# KiCad board backplane.kicad_pcb
title: backplane; date: 2021-12-10; rev: A1; company: Sierra Lobo, Inc.; note: C. Hillis; note: C. Kornowski
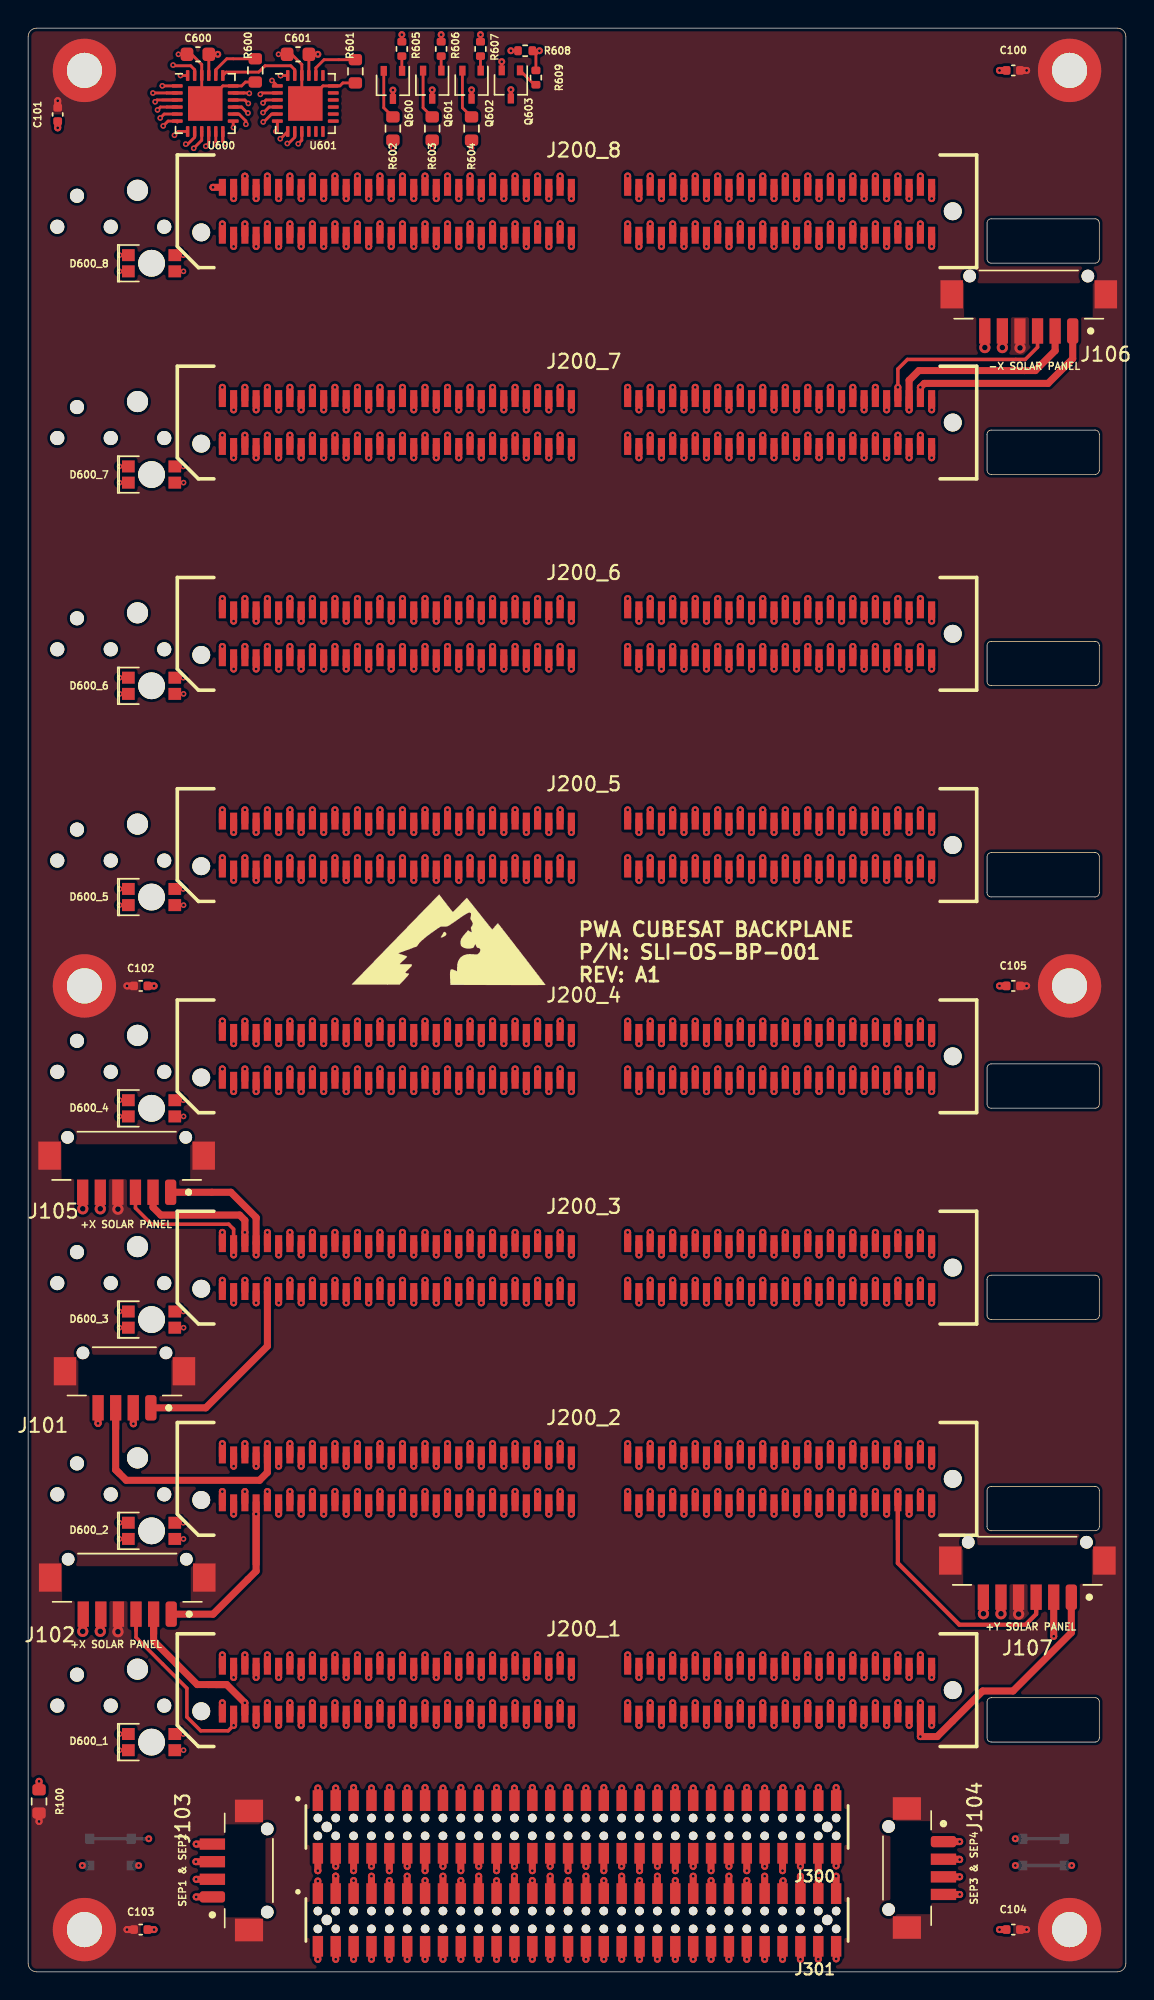
[diagram p0: board, top side]
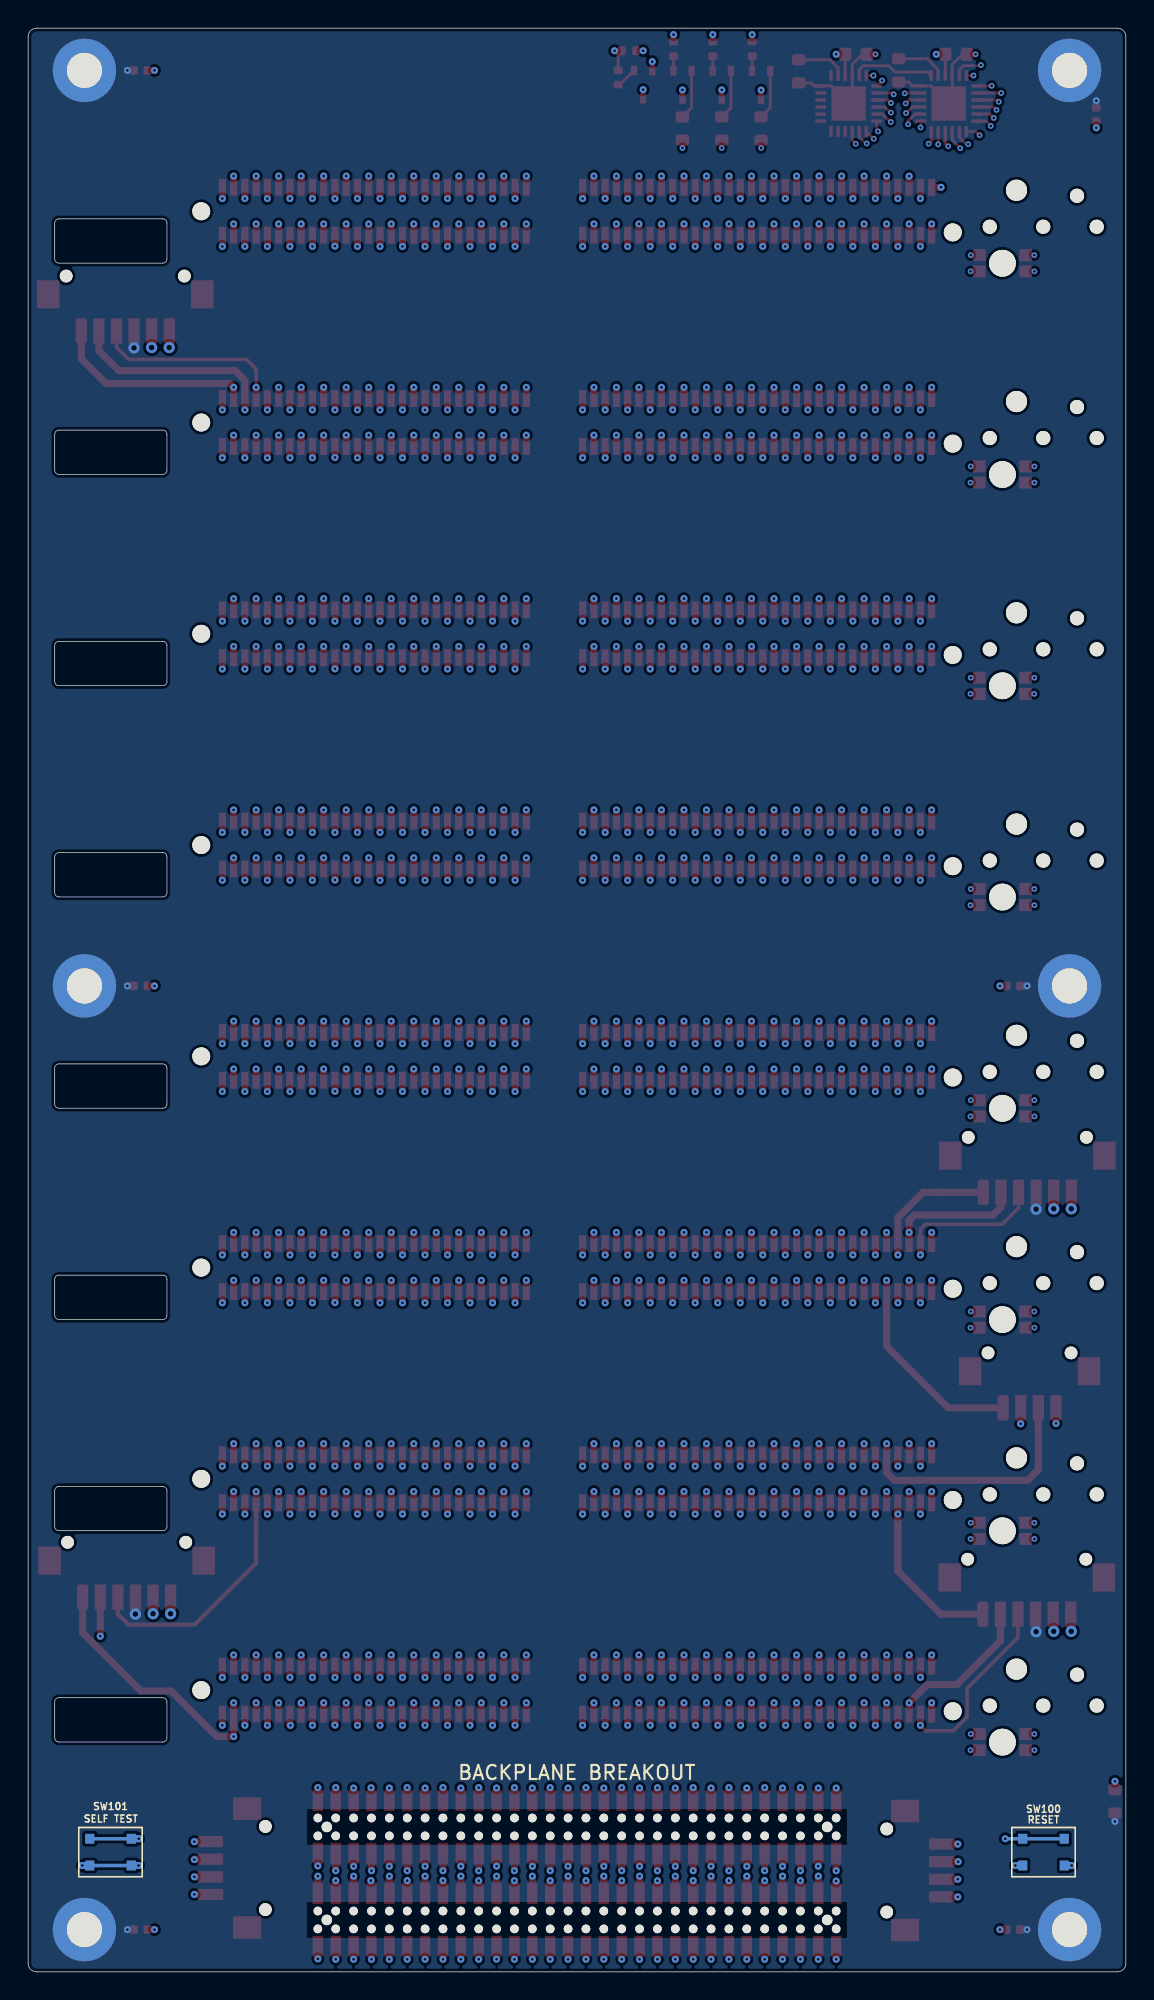
[diagram p1: board, bottom side, seen from below]

Outline 78 x 138 mm; copper layers: Top, In1.Cu, In2.Cu, In3.Cu, In4.Cu, Bottom. Coordinates in mm from the lower left corner of the outline.
Outline path: 0,137.4 arc(0.18,137.82) 0.6,138 77.4,138 arc(77.82,137.82) 78,137.4 78,0.6 arc(77.82,0.18) 77.4,0 0.6,0 arc(0.18,0.18) 0,0.6 0,137.4 ; 68.14,124.17 arc(68.22,124.38) 68.43,124.46 75.82,124.46 arc(76.03,124.38) 76.11,124.17 76.11,121.61 arc(76.03,121.4) 75.82,121.32 68.43,121.32 arc(68.22,121.4) 68.14,121.61 68.14,124.17 ; 68.14,109.17 arc(68.22,109.38) 68.43,109.46 75.82,109.46 arc(76.03,109.38) 76.11,109.17 76.11,106.61 arc(76.03,106.4) 75.82,106.32 68.43,106.32 arc(68.22,106.4) 68.14,106.61 68.14,109.17 ; 68.14,94.17 arc(68.22,94.38) 68.43,94.46 75.82,94.46 arc(76.03,94.38) 76.11,94.17 76.11,91.61 arc(76.03,91.4) 75.82,91.32 68.43,91.32 arc(68.22,91.4) 68.14,91.61 68.14,94.17 ; 68.14,79.17 arc(68.22,79.38) 68.43,79.46 75.82,79.46 arc(76.03,79.38) 76.11,79.17 76.11,76.61 arc(76.03,76.4) 75.82,76.32 68.43,76.32 arc(68.22,76.4) 68.14,76.61 68.14,79.17 ; 68.14,64.17 arc(68.22,64.38) 68.43,64.46 75.82,64.46 arc(76.03,64.38) 76.11,64.17 76.11,61.61 arc(76.03,61.4) 75.82,61.32 68.43,61.32 arc(68.22,61.4) 68.14,61.61 68.14,64.17 ; 68.14,49.17 arc(68.22,49.38) 68.43,49.46 75.82,49.46 arc(76.03,49.38) 76.11,49.17 76.11,46.61 arc(76.03,46.4) 75.82,46.32 68.43,46.32 arc(68.22,46.4) 68.14,46.61 68.14,49.17 ; 68.14,34.17 arc(68.22,34.38) 68.43,34.46 75.82,34.46 arc(76.03,34.38) 76.11,34.17 76.11,31.61 arc(76.03,31.4) 75.82,31.32 68.43,31.32 arc(68.22,31.4) 68.14,31.61 68.14,34.17 ; 68.14,19.17 arc(68.22,19.38) 68.43,19.46 75.82,19.46 arc(76.03,19.38) 76.11,19.17 76.11,16.61 arc(76.03,16.4) 75.82,16.32 68.43,16.32 arc(68.22,16.4) 68.14,16.61 68.14,19.17

## Placement (name value [footprint] x y rotation side)
C100  0.1uF  [C_0402_1005Metric]  70 135 0 top
C101  0.1uF  [C_0402_1005Metric]  2.1 131.87 90 top
C102  0.1uF  [C_0402_1005Metric]  8 70 180 top
C103  0.1uF  [C_0402_1005Metric]  8 3 180 top
C104  0.1uF  [C_0402_1005Metric]  70 3 0 top
C105  0.1uF  [C_0402_1005Metric]  70 70 0 top
C600  0.1uF  [C_0603_1608Metric]  12.06 136.14 180 top
C601  0.1uF  [C_0603_1608Metric]  19.18 136.14 180 top
D600_1  -  [156125M173000]  8.77 16.31 0 top
D600_2  -  [156125M173000]  8.77 31.31 0 top
D600_3  -  [156125M173000]  8.77 46.31 0 top
D600_4  -  [156125M173000]  8.77 61.31 0 top
D600_5  -  [156125M173000]  8.77 76.31 0 top
D600_6  -  [156125M173000]  8.77 91.31 0 top
D600_7  -  [156125M173000]  8.77 106.31 0 top
D600_8  -  [156125M173000]  8.77 121.31 0 top
G***  LOGO  [SLI_LOGO]  29.85 72.45 0 top
J101  BURN_WIRES  [DF13-4P-1.25(75)]  6.84 40.94 180 top
J102  -Z SOLAR PANEL  [DF13-6P-1.25(75)]  7.04 26.3 180 top
J103  SEP1 & SEP2  [DF13-4P-1.25(75)]  13.99 7.2 90 top
J104  SEP3 & SEP4  [DF13-4P-1.25(75)]  64.14 7.37 270 top
J105  +X SOLAR PANEL  [DF13-6P-1.25(75)]  7 56.25 180 top
J106  -X SOLAR PANEL  [DF13-6P-1.25(75)]  71.1 117.4 180 top
J107  +Y SOLAR PANEL  [DF13-6P-1.25(75)]  71 27.5 180 top
J200_1  -  [HSEC8-160-01-S-DV-A-K-TR]  39 20 0 top
J200_2  -  [HSEC8-160-01-S-DV-A-K-TR]  39 35 0 top
J200_3  -  [HSEC8-160-01-S-DV-A-K-TR]  39 50 0 top
J200_4  -  [HSEC8-160-01-S-DV-A-K-TR]  39 65 0 top
J200_5  -  [HSEC8-160-01-S-DV-A-K-TR]  39 80 0 top
J200_6  -  [HSEC8-160-01-S-DV-A-K-TR]  39 95 0 top
J200_7  -  [HSEC8-160-01-S-DV-A-K-TR]  39 110 0 top
J200_8  -  [HSEC8-160-01-S-DV-A-K-TR]  39 125 0 top
J300  Breakout Connector  [SAMTEC_CLP-130-02-X-D-BE-A-P-TR]  39 10.29 180 top
J301  Breakout Connector  [SAMTEC_CLP-130-02-X-D-BE-A-P-TR]  39 3.68 180 top
MH100  M3  [M3_PTH_PAD]  4 135 0 top
MH101  M3  [M3_PTH_PAD]  4 3 0 top
MH102  M3  [M3_PTH_PAD]  74 3 0 top
MH103  M3  [M3_PTH_PAD]  74 70 0 top
MH104  M3  [M3_PTH_PAD]  4 70 0 top
MH105  M3  [M3_PTH_PAD]  74 135 0 top
Q600  BC857AW,115  [SOT-323_SC-70]  25.92 133.97 270 top
Q601  BC857AW,115  [SOT-323_SC-70]  28.71 133.99 270 top
Q602  BC857AW,115  [SOT-323_SC-70]  31.51 133.99 270 top
Q603  BC847CW,115  [SOT-323_SC-70]  34.3 134 270 top
R100  0mR DNP  [R_0603_1608Metric]  0.77 12.1 270 top
R600  50.1k  [R_0603_1608Metric]  16.14 135 90 top
R601  50.1k  [R_0603_1608Metric]  23.25 134.94 90 top
R602  0R  [R_0603_1608Metric]  25.92 130.87 270 top
R603  0R  [R_0603_1608Metric]  28.71 130.87 270 top
R604  0R  [R_0603_1608Metric]  31.51 130.87 270 top
R605  4.7k  [R_0402_1005Metric]  26.55 136.53 270 top
R606  4.7k  [R_0402_1005Metric]  29.35 136.53 270 top
R607  4.7k  [R_0402_1005Metric]  32.14 136.53 270 top
R608  10k  [R_0402_1005Metric]  35.32 136.4 180 top
R609  4.7k  [R_0402_1005Metric]  36.08 134.49 270 top
SW100  RESET  [KMT031_NGJ_LHS]  5.85 8.5 0 bottom
SW101  RESET  [KMT031_NGJ_LHS]  72.15 8.5 0 bottom
U600  TLC59282  [VQFN-24-1EP_4x4mm_P0.5mm_EP2.45x2.45mm]  12.58 132.65 0 top
U601  TLC59282  [VQFN-24-1EP_4x4mm_P0.5mm_EP2.45x2.45mm]  19.7 132.65 0 top

## Footprints (pads in the part's own frame, mm; a bottom-side part is the same pattern mirrored in y, then rotated)
156125M173000
  round 1.9 hole 1.9 unplated: (0,0)
  rect 0.9x0.85 smd: 1(-1.65,0.575) 2(-1.65,-0.575) 3(1.65,-0.575) 4(1.65,0.575)
C_0402_1005Metric
  rrect 0.56x0.62 smd: 1(-0.48,0) 2(0.48,0)
C_0603_1608Metric
  rrect 0.9x0.95 smd: 1(-0.775,0) 2(0.775,0)
DF13-4P-1.25(75)
  round 0.9 hole 0.9 unplated: (-2.95,-3) (2.95,-3)
  rrect 0.8x1.8 smd: 1(-1.875,0.9)
  rect 0.8x1.8 smd: 2(-0.625,0.9) 3(0.625,0.9) 4(1.875,0.9)
  rect 1.6x2 smd: 5(-4.225,-1.7) 5(4.225,-1.7)
DF13-6P-1.25(75)
  round 0.9 hole 0.9 unplated: (-4.2,-3) (4.2,-3)
  rrect 0.8x1.8 smd: 1(-3.125,0.9)
  rect 0.8x1.8 smd: 2(-1.875,0.9) 3(-0.625,0.9) 4(0.625,0.9) 5(1.875,0.9) 6(3.125,0.9)
  rect 1.6x2 smd: 7(-5.475,-1.7) 7(5.475,-1.7)
HSEC8-160-01-S-DV-A-K-TR
  round 1 hole 1 unplated: (-36.93,-1.1) (-35.53,1.1) (-33.13,-1.1) (-29.33,-1.1)
  round 1.5 hole 1.5 unplated: (-31.23,1.49)
  round 1.27 hole 1.27 unplated: (-26.7,-1.5) (26.7,0)
  rect 0.5x1.2 smd: 1(-25.2,-1.7) 2(-25.2,1.7) 3(-24.4,-1.7) 4(-24.4,1.7) 5(-23.6,-1.7) 6(-23.6,1.7) 7(-22.8,-1.7) 8(-22.8,1.7) 9(-22,-1.7) 10(-22,1.7) 11(-21.2,-1.7) 12(-21.2,1.7) 13(-20.4,-1.7) 14(-20.4,1.7) 15(-19.6,-1.7) 16(-19.6,1.7) 17(-18.8,-1.7) 18(-18.8,1.7) 19(-18,-1.7) 20(-18,1.7) 21(-17.2,-1.7) 22(-17.2,1.7) 23(-16.4,-1.7) 24(-16.4,1.7) 25(-15.6,-1.7) 26(-15.6,1.7) 27(-14.8,-1.7) 28(-14.8,1.7) 29(-14,-1.7) 30(-14,1.7) 31(-13.2,-1.7) 32(-13.2,1.7) 33(-12.4,-1.7) 34(-12.4,1.7) 35(-11.6,-1.7) 36(-11.6,1.7) 37(-10.8,-1.7) 38(-10.8,1.7) 39(-10,-1.7) 40(-10,1.7) 41(-9.2,-1.7) 42(-9.2,1.7) 43(-8.4,-1.7) 44(-8.4,1.7) 45(-7.6,-1.7) 46(-7.6,1.7) 47(-6.8,-1.7) 48(-6.8,1.7) 49(-6,-1.7) 50(-6,1.7) 51(-5.2,-1.7) 52(-5.2,1.7) 53(-4.4,-1.7) 54(-4.4,1.7) 55(-3.6,-1.7) 56(-3.6,1.7) 57(-2.8,-1.7) 58(-2.8,1.7) 59(-2,-1.7) 60(-2,1.7) 61(-1.2,-1.7) 62(-1.2,1.7) 63(-0.4,-1.7) 64(-0.4,1.7) 65(3.6,-1.7) 66(3.6,1.7) 67(4.4,-1.7) 68(4.4,1.7) 69(5.2,-1.7) 70(5.2,1.7) 71(6,-1.7) 72(6,1.7) 73(6.8,-1.7) 74(6.8,1.7) 75(7.6,-1.7) 76(7.6,1.7) 77(8.4,-1.7) 78(8.4,1.7) 79(9.2,-1.7) 80(9.2,1.7) 81(10,-1.7) 82(10,1.7) 83(10.8,-1.7) 84(10.8,1.7) 85(11.6,-1.7) 86(11.6,1.7) 87(12.4,-1.7) 88(12.4,1.7) 89(13.2,-1.7) 90(13.2,1.7) 91(14,-1.7) 92(14,1.7) 93(14.8,-1.7) 94(14.8,1.7) 95(15.6,-1.7) 96(15.6,1.7) 97(16.4,-1.7) 98(16.4,1.7) 99(17.2,-1.7) 100(17.2,1.7) 101(18,-1.7) 102(18,1.7) 103(18.8,-1.7) 104(18.8,1.7) 105(19.6,-1.7) 106(19.6,1.7) 107(20.4,-1.7) 108(20.4,1.7) 109(21.2,-1.7) 110(21.2,1.7) 111(22,-1.7) 112(22,1.7) 113(22.8,-1.7) 114(22.8,1.7) 115(23.6,-1.7) 116(23.6,1.7) 117(24.4,-1.7) 118(24.4,1.7) 119(25.2,-1.7) 120(25.2,1.7)
KMT031_NGJ_LHS
  rect 0.65x0.7 smd: 1(-1.475,0.95) 1(1.475,0.95) 2(-1.475,-0.95) 2(1.475,-0.95)
M3_PTH_PAD
  round 4.5 hole 2.5: 1(0,0)
R_0402_1005Metric
  rrect 0.54x0.64 smd: 1(-0.51,0) 2(0.51,0)
R_0603_1608Metric
  rrect 0.8x0.95 smd: 1(-0.825,0) 2(0.825,0)
SAMTEC_CLP-130-02-X-D-BE-A-P-TR
  round 0.61 hole 0.61 unplated: (-18.415,0.635) (-18.415,-0.635) (-17.145,0.635) (-17.145,-0.635) (-15.875,0.635) (-15.875,-0.635) (-14.605,0.635) (-14.605,-0.635) (-13.335,0.635) (-13.335,-0.635) (-12.065,0.635) (-12.065,-0.635) (-10.795,0.635) (-10.795,-0.635) (-9.525,0.635) (-9.525,-0.635) (-8.255,0.635) (-8.255,-0.635) (-6.985,0.635) (-6.985,-0.635) (-5.715,0.635) (-5.715,-0.635) (-4.445,0.635) (-4.445,-0.635) (-3.175,0.635) (-3.175,-0.635) (-1.905,0.635) (-1.905,-0.635) (-0.635,0.635) (-0.635,-0.635) (0.635,0.635) (0.635,-0.635) (1.905,0.635) (1.905,-0.635) (3.175,0.635) (3.175,-0.635) (4.445,0.635) (4.445,-0.635) (5.715,0.635) (5.715,-0.635) (6.985,0.635) (6.985,-0.635) (8.255,0.635) (8.255,-0.635) (9.525,0.635) (9.525,-0.635) (10.795,0.635) (10.795,-0.635) (12.065,0.635) (12.065,-0.635) (13.335,0.635) (13.335,-0.635) (14.605,0.635) (14.605,-0.635) (15.875,0.635) (15.875,-0.635) (17.145,0.635) (17.145,-0.635) (18.415,0.635) (18.415,-0.635)
  round 0.74 hole 0.74 unplated: (-17.78,0) (17.78,0)
  rect 0.74x1.47 smd: 1(18.415,-1.87) 2(18.415,1.87) 3(17.145,-1.87) 4(17.145,1.87) 5(15.875,-1.87) 6(15.875,1.87) 7(14.605,-1.87) 8(14.605,1.87) 9(13.335,-1.87) 10(13.335,1.87) 11(12.065,-1.87) 12(12.065,1.87) 13(10.795,-1.87) 14(10.795,1.87) 15(9.525,-1.87) 16(9.525,1.87) 17(8.255,-1.87) 18(8.255,1.87) 19(6.985,-1.87) 20(6.985,1.87) 21(5.715,-1.87) 22(5.715,1.87) 23(4.445,-1.87) 24(4.445,1.87) 25(3.175,-1.87) 26(3.175,1.87) 27(1.905,-1.87) 28(1.905,1.87) 29(0.635,-1.87) 30(0.635,1.87) 31(-0.635,-1.87) 32(-0.635,1.87) 33(-1.905,-1.87) 34(-1.905,1.87) 35(-3.175,-1.87) 36(-3.175,1.87) 37(-4.445,-1.87) 38(-4.445,1.87) 39(-5.715,-1.87) 40(-5.715,1.87) 41(-6.985,-1.87) 42(-6.985,1.87) 43(-8.255,-1.87) 44(-8.255,1.87) 45(-9.525,-1.87) 46(-9.525,1.87) 47(-10.795,-1.87) 48(-10.795,1.87) 49(-12.065,-1.87) 50(-12.065,1.87) 51(-13.335,-1.87) 52(-13.335,1.87) 53(-14.605,-1.87) 54(-14.605,1.87) 55(-15.875,-1.87) 56(-15.875,1.87) 57(-17.145,-1.87) 58(-17.145,1.87) 59(-18.415,-1.87) 60(-18.415,1.87)
SOT-323_SC-70
  rect 0.7x0.45 smd: 1(-1,0.65) 2(-1,-0.65) 3(1,0)
VQFN-24-1EP_4x4mm_P0.5mm_EP2.45x2.45mm
  rrect 0.66x0.66 smd: (-0.82,0.82) (-0.82,0) (-0.82,-0.82) (0,0.82) (0,0) (0,-0.82) (0.82,0.82) (0.82,0) (0.82,-0.82)
  rrect 0.775x0.25 smd: 1(-1.988,1.25) 2(-1.988,0.75) 3(-1.988,0.25) 4(-1.988,-0.25) 5(-1.988,-0.75) 6(-1.988,-1.25) 13(1.988,-1.25) 14(1.988,-0.75) 15(1.988,-0.25) 16(1.988,0.25) 17(1.988,0.75) 18(1.988,1.25)
  rrect 0.25x0.775 smd: 7(-1.25,-1.988) 8(-0.75,-1.988) 9(-0.25,-1.988) 10(0.25,-1.988) 11(0.75,-1.988) 12(1.25,-1.988) 19(1.25,1.988) 20(0.75,1.988) 21(0.25,1.988) 22(-0.25,1.988) 23(-0.75,1.988) 24(-1.25,1.988)
  rect 2.45x2.45 smd: 25(0,0)

## Nets
/5V_USB: C600.1 C601.1 D600_1.4 D600_2.4 D600_3.4 D600_4.4 D600_5.4 D600_6.4 D600_7.4 D600_8.4 J200_1.70 J200_2.70 J200_3.70 J200_4.70 J200_5.70 J200_6.70 J200_7.70 J200_8.70 J300.36 R608.1 R609.1 U600.21 U601.21
/AGND: J200_1.71 J200_2.71 J200_3.71 J200_4.71 J200_5.71 J200_6.71 J200_7.71 J200_8.71 J301.35
GND: C100.1 C101.1 C102.1 C103.1 C104.1 C105.1 C600.2 C601.2 J101.2 J101.4 J102.5 J102.6 J103.2 J103.4 J104.2 J104.4 J105.5 J105.6 J106.5 J106.6 J107.5 J107.6 J200_1.67 J200_1.68 J200_1.72 J200_1.103 J200_1.104 J200_2.67 J200_2.68 J200_2.72 J200_2.103 J200_2.104 J200_3.67 J200_3.68 J200_3.72 J200_3.103 J200_3.104 J200_4.67 J200_4.68 J200_4.72 J200_4.103 J200_4.104 J200_5.67 J200_5.68 J200_5.72 J200_5.103 J200_5.104 J200_6.67 J200_6.68 J200_6.72 J200_6.103 J200_6.104 J200_7.67 J200_7.68 J200_7.72 J200_7.103 J200_7.104 J200_8.67 J200_8.68 J200_8.72 J200_8.103 J200_8.104 J301.33 J301.34 J301.36 J301.51 J301.52 Q603.2 R100.1 R600.1 R601.1 SW100.1 SW101.1 U600.18 U600.22 U600.25 U601.18 U601.22 U601.25
/+X_SOLAR_PWR: J105.1 J200_1.8 J200_2.8 J200_3.8 J200_4.8 J200_5.8 J200_6.8 J200_7.8 J200_8.8 J301.4
/+X_SOLAR_RTN: J105.2 J200_1.6 J200_2.6 J200_3.6 J200_4.6 J200_5.6 J200_6.6 J200_7.6 J200_8.6 J300.4
/+X_SOLAR_TLE: J105.3 J200_1.4 J200_2.4 J200_3.4 J200_4.4 J200_5.4 J200_6.4 J200_7.4 J200_8.4 J301.2
/+Y_SOLAR_PWR: J107.1 J200_1.117 J200_2.117 J200_3.117 J200_4.117 J200_5.117 J200_6.117 J200_7.117 J200_8.117 J300.59
/+Y_SOLAR_RTN: J107.2 J200_1.115 J200_2.115 J200_3.115 J200_4.115 J200_5.115 J200_6.115 J200_7.115 J200_8.115 J301.57
/+Y_SOLAR_TLE: J107.3 J200_1.113 J200_2.113 J200_3.113 J200_4.113 J200_5.113 J200_6.113 J200_7.113 J200_8.113 J300.57
/-X_SOLAR_PWR: J106.1 J200_1.118 J200_2.118 J200_3.118 J200_4.118 J200_5.118 J200_6.118 J200_7.118 J200_8.118 J300.60
/-X_SOLAR_RTN: J106.2 J200_1.116 J200_2.116 J200_3.116 J200_4.116 J200_5.116 J200_6.116 J200_7.116 J200_8.116 J301.58
/-X_SOLAR_TLE: J106.3 J200_1.114 J200_2.114 J200_3.114 J200_4.114 J200_5.114 J200_6.114 J200_7.114 J200_8.114 J300.58
/-Z_SOLAR_PWR: J102.1 J200_1.7 J200_2.7 J200_3.7 J200_4.7 J200_5.7 J200_6.7 J200_7.7 J200_8.7 J301.3
/-Z_SOLAR_RTN: J102.2 J200_1.5 J200_2.5 J200_3.5 J200_4.5 J200_5.5 J200_6.5 J200_7.5 J200_8.5 J300.3
/-Z_SOLAR_TLE: J102.3 J200_1.3 J200_2.3 J200_3.3 J200_4.3 J200_5.3 J200_6.3 J200_7.3 J200_8.3 J301.1
/BUS_RESET: J200_1.65 J200_2.65 J200_3.65 J200_4.65 J200_5.65 J200_6.65 J200_7.65 J200_8.65 J300.33 SW100.2
/H1-1: J101.1 J200_1.9 J200_2.9 J200_3.9 J200_4.9 J200_5.9 J200_6.9 J200_7.9 J200_8.9 J300.5
/H1-2: J101.3 J200_1.10 J200_2.10 J200_3.10 J200_4.10 J200_5.10 J200_6.10 J200_7.10 J200_8.10 J300.6
/H1-3: J200_1.13 J200_2.13 J200_3.13 J200_4.13 J200_5.13 J200_6.13 J200_7.13 J200_8.13 J300.7
/H1-4: J200_1.14 J200_2.14 J200_3.14 J200_4.14 J200_5.14 J200_6.14 J200_7.14 J200_8.14 J300.8
/H1-5: J200_1.17 J200_2.17 J200_3.17 J200_4.17 J200_5.17 J200_6.17 J200_7.17 J200_8.17 J300.9
/H1-6: J200_1.18 J200_2.18 J200_3.18 J200_4.18 J200_5.18 J200_6.18 J200_7.18 J200_8.18 J300.10
/H1-7: J200_1.21 J200_2.21 J200_3.21 J200_4.21 J200_5.21 J200_6.21 J200_7.21 J200_8.21 J300.11
/H1-8: J200_1.22 J200_2.22 J200_3.22 J200_4.22 J200_5.22 J200_6.22 J200_7.22 J200_8.22 J300.12
/H1-9: J200_1.25 J200_2.25 J200_3.25 J200_4.25 J200_5.25 J200_6.25 J200_7.25 J200_8.25 J300.13
/H1-10: J200_1.26 J200_2.26 J200_3.26 J200_4.26 J200_5.26 J200_6.26 J200_7.26 J200_8.26 J300.14
/H1-11: J200_1.29 J200_2.29 J200_3.29 J200_4.29 J200_5.29 J200_6.29 J200_7.29 J200_8.29 J300.15
/H1-12: J200_1.30 J200_2.30 J200_3.30 J200_4.30 J200_5.30 J200_6.30 J200_7.30 J200_8.30 J300.16
/H1-13: J200_1.33 J200_2.33 J200_3.33 J200_4.33 J200_5.33 J200_6.33 J200_7.33 J200_8.33 J300.17
/H1-14: J200_1.34 J200_2.34 J200_3.34 J200_4.34 J200_5.34 J200_6.34 J200_7.34 J200_8.34 J300.18
/H1-16: J200_1.38 J200_2.38 J200_3.38 J200_4.38 J200_5.38 J200_6.38 J200_7.38 J200_8.38 J300.20
/H1-17: J200_1.41 J200_2.41 J200_3.41 J200_4.41 J200_5.41 J200_6.41 J200_7.41 J200_8.41 J300.21
/H1-18: J200_1.42 J200_2.42 J200_3.42 J200_4.42 J200_5.42 J200_6.42 J200_7.42 J200_8.42 J300.22
/H1-19: J200_1.45 J200_2.45 J200_3.45 J200_4.45 J200_5.45 J200_6.45 J200_7.45 J200_8.45 J300.23
/H1-20: J200_1.46 J200_2.46 J200_3.46 J200_4.46 J200_5.46 J200_6.46 J200_7.46 J200_8.46 J300.24
/H1-21: J200_1.49 J200_2.49 J200_3.49 J200_4.49 J200_5.49 J200_6.49 J200_7.49 J200_8.49 J300.25 R602.2
/H1-22: J200_1.50 J200_2.50 J200_3.50 J200_4.50 J200_5.50 J200_6.50 J200_7.50 J200_8.50 J300.26
/H1-23: J200_1.53 J200_2.53 J200_3.53 J200_4.53 J200_5.53 J200_6.53 J200_7.53 J200_8.53 J300.27 R603.2
/H1-24: J200_1.54 J200_2.54 J200_3.54 J200_4.54 J200_5.54 J200_6.54 J200_7.54 J200_8.54 J300.28
/H1-25: J200_1.57 J200_2.57 J200_3.57 J200_4.57 J200_5.57 J200_6.57 J200_7.57 J200_8.57 J300.29
/H1-26: J200_1.58 J200_2.58 J200_3.58 J200_4.58 J200_5.58 J200_6.58 J200_7.58 J200_8.58 J300.30
/H1-27: J200_1.61 J200_2.61 J200_3.61 J200_4.61 J200_5.61 J200_6.61 J200_7.61 J200_8.61 J300.31
/H1-28: J200_1.62 J200_2.62 J200_3.62 J200_4.62 J200_5.62 J200_6.62 J200_7.62 J200_8.62 J300.32
/H1-30: J200_1.66 J200_2.66 J200_3.66 J200_4.66 J200_5.66 J200_6.66 J200_7.66 J200_8.66 J300.34
/H1-31: J200_1.69 J200_2.69 J200_3.69 J200_4.69 J200_5.69 J200_6.69 J200_7.69 J200_8.69 J300.35
/H1-33: J200_1.73 J200_2.73 J200_3.73 J200_4.73 J200_5.73 J200_6.73 J200_7.73 J200_8.73 J300.37
/H1-34: J200_1.74 J200_2.74 J200_3.74 J200_4.74 J200_5.74 J200_6.74 J200_7.74 J200_8.74 J300.38
/H1-35: J200_1.77 J200_2.77 J200_3.77 J200_4.77 J200_5.77 J200_6.77 J200_7.77 J200_8.77 J300.39
/H1-36: J200_1.78 J200_2.78 J200_3.78 J200_4.78 J200_5.78 J200_6.78 J200_7.78 J200_8.78 J300.40
/H1-37: J200_1.81 J200_2.81 J200_3.81 J200_4.81 J200_5.81 J200_6.81 J200_7.81 J200_8.81 J300.41
/H1-38: J200_1.82 J200_2.82 J200_3.82 J200_4.82 J200_5.82 J200_6.82 J200_7.82 J200_8.82 J300.42
/H1-39: J200_1.85 J200_2.85 J200_3.85 J200_4.85 J200_5.85 J200_6.85 J200_7.85 J200_8.85 J300.43
/H1-40: J200_1.86 J200_2.86 J200_3.86 J200_4.86 J200_5.86 J200_6.86 J200_7.86 J200_8.86 J300.44
/H1-41: J200_1.89 J200_2.89 J200_3.89 J200_4.89 J200_5.89 J200_6.89 J200_7.89 J200_8.89 J300.45
/H1-42: J200_1.90 J200_2.90 J200_3.90 J200_4.90 J200_5.90 J200_6.90 J200_7.90 J200_8.90 J300.46
/H1-43: J200_1.93 J200_2.93 J200_3.93 J200_4.93 J200_5.93 J200_6.93 J200_7.93 J200_8.93 J300.47
/H1-44: J200_1.94 J200_2.94 J200_3.94 J200_4.94 J200_5.94 J200_6.94 J200_7.94 J200_8.94 J300.48
/H1-45: J200_1.97 J200_2.97 J200_3.97 J200_4.97 J200_5.97 J200_6.97 J200_7.97 J200_8.97 J300.49
/H1-46: J200_1.98 J200_2.98 J200_3.98 J200_4.98 J200_5.98 J200_6.98 J200_7.98 J200_8.98 J300.50
/H1-51: J200_1.109 J200_2.109 J200_3.109 J200_4.109 J200_5.109 J200_6.109 J200_7.109 J200_8.109 J300.55
/H1-52: J200_1.110 J200_2.110 J200_3.110 J200_4.110 J200_5.110 J200_6.110 J200_7.110 J200_8.110 J300.56
/H2-1: J200_1.11 J200_2.11 J200_3.11 J200_4.11 J200_5.11 J200_6.11 J200_7.11 J200_8.11 J301.5
/H2-2: J200_1.12 J200_2.12 J200_3.12 J200_4.12 J200_5.12 J200_6.12 J200_7.12 J200_8.12 J301.6
/H2-3: J200_1.15 J200_2.15 J200_3.15 J200_4.15 J200_5.15 J200_6.15 J200_7.15 J200_8.15 J301.7
/H2-4: J200_1.16 J200_2.16 J200_3.16 J200_4.16 J200_5.16 J200_6.16 J200_7.16 J200_8.16 J301.8
/H2-5: J200_1.19 J200_2.19 J200_3.19 J200_4.19 J200_5.19 J200_6.19 J200_7.19 J200_8.19 J301.9
/H2-6: J200_1.20 J200_2.20 J200_3.20 J200_4.20 J200_5.20 J200_6.20 J200_7.20 J200_8.20 J301.10
/H2-7: J200_1.23 J200_2.23 J200_3.23 J200_4.23 J200_5.23 J200_6.23 J200_7.23 J200_8.23 J301.11
/H2-8: J200_1.24 J200_2.24 J200_3.24 J200_4.24 J200_5.24 J200_6.24 J200_7.24 J200_8.24 J301.12
/H2-9: J200_1.27 J200_2.27 J200_3.27 J200_4.27 J200_5.27 J200_6.27 J200_7.27 J200_8.27 J301.13
/H2-10: J200_1.28 J200_2.28 J200_3.28 J200_4.28 J200_5.28 J200_6.28 J200_7.28 J200_8.28 J301.14
/H2-11: J200_1.31 J200_2.31 J200_3.31 J200_4.31 J200_5.31 J200_6.31 J200_7.31 J200_8.31 J301.15
/H2-12: J200_1.32 J200_2.32 J200_3.32 J200_4.32 J200_5.32 J200_6.32 J200_7.32 J200_8.32 J301.16
/H2-13: J200_1.35 J200_2.35 J200_3.35 J200_4.35 J200_5.35 J200_6.35 J200_7.35 J200_8.35 J301.17
/H2-14: J200_1.36 J200_2.36 J200_3.36 J200_4.36 J200_5.36 J200_6.36 J200_7.36 J200_8.36 J301.18
/H2-15: J200_1.39 J200_2.39 J200_3.39 J200_4.39 J200_5.39 J200_6.39 J200_7.39 J200_8.39 J301.19
/H2-16: J200_1.40 J200_2.40 J200_3.40 J200_4.40 J200_5.40 J200_6.40 J200_7.40 J200_8.40 J301.20
/H2-17: J200_1.43 J200_2.43 J200_3.43 J200_4.43 J200_5.43 J200_6.43 J200_7.43 J200_8.43 J301.21
/H2-18: J200_1.44 J200_2.44 J200_3.44 J200_4.44 J200_5.44 J200_6.44 J200_7.44 J200_8.44 J301.22
/H2-19: J200_1.47 J200_2.47 J200_3.47 J200_4.47 J200_5.47 J200_6.47 J200_7.47 J200_8.47 J301.23
/H2-20: J200_1.48 J200_2.48 J200_3.48 J200_4.48 J200_5.48 J200_6.48 J200_7.48 J200_8.48 J301.24
/H2-21: J200_1.51 J200_2.51 J200_3.51 J200_4.51 J200_5.51 J200_6.51 J200_7.51 J200_8.51 J301.25
/H2-22: J200_1.52 J200_2.52 J200_3.52 J200_4.52 J200_5.52 J200_6.52 J200_7.52 J200_8.52 J301.26
/H2-23: J200_1.55 J200_2.55 J200_3.55 J200_4.55 J200_5.55 J200_6.55 J200_7.55 J200_8.55 J301.27
/H2-24: J200_1.56 J200_2.56 J200_3.56 J200_4.56 J200_5.56 J200_6.56 J200_7.56 J200_8.56 J301.28
/H2-25: J200_1.59 J200_2.59 J200_3.59 J200_4.59 J200_5.59 J200_6.59 J200_7.59 J200_8.59 J301.29
/H2-26: J200_1.60 J200_2.60 J200_3.60 J200_4.60 J200_5.60 J200_6.60 J200_7.60 J200_8.60 J301.30
/H2-27: J200_1.63 J200_2.63 J200_3.63 J200_4.63 J200_5.63 J200_6.63 J200_7.63 J200_8.63 J301.31
/H2-28: J200_1.64 J200_2.64 J200_3.64 J200_4.64 J200_5.64 J200_6.64 J200_7.64 J200_8.64 J301.32
/H2-33: J200_1.75 J200_2.75 J200_3.75 J200_4.75 J200_5.75 J200_6.75 J200_7.75 J200_8.75 J301.37
/H2-34: J200_1.76 J200_2.76 J200_3.76 J200_4.76 J200_5.76 J200_6.76 J200_7.76 J200_8.76 J301.38
/H2-35: J200_1.79 J200_2.79 J200_3.79 J200_4.79 J200_5.79 J200_6.79 J200_7.79 J200_8.79 J301.39
/H2-36: J200_1.80 J200_2.80 J200_3.80 J200_4.80 J200_5.80 J200_6.80 J200_7.80 J200_8.80 J301.40
/H2-37: J200_1.83 J200_2.83 J200_3.83 J200_4.83 J200_5.83 J200_6.83 J200_7.83 J200_8.83 J301.41
/H2-38: J200_1.84 J200_2.84 J200_3.84 J200_4.84 J200_5.84 J200_6.84 J200_7.84 J200_8.84 J301.42
/H2-39: J200_1.87 J200_2.87 J200_3.87 J200_4.87 J200_5.87 J200_6.87 J200_7.87 J200_8.87 J301.43
/H2-40: J200_1.88 J200_2.88 J200_3.88 J200_4.88 J200_5.88 J200_6.88 J200_7.88 J200_8.88 J301.44
/H2-41: J200_1.91 J200_2.91 J200_3.91 J200_4.91 J200_5.91 J200_6.91 J200_7.91 J200_8.91 J301.45
/H2-42: J200_1.92 J200_2.92 J200_3.92 J200_4.92 J200_5.92 J200_6.92 J200_7.92 J200_8.92 J301.46